# Altium PCB CM4-Tower.PcbDoc (part 3 of 10)
Units mil, origin at the board's own origin, x right, y up, seen from the top; angles counter-clockwise.
Board outline 1968.5 x 5354.33 mil, 8 copper layers (Top Layer, Layer 2, Layer 3, Layer 4, Layer 5, Layer 6, Layer 7, Bottom Layer), stack 61.408 mil thick; 632 components, 480 nets, 2338 pads, 1074 vias.
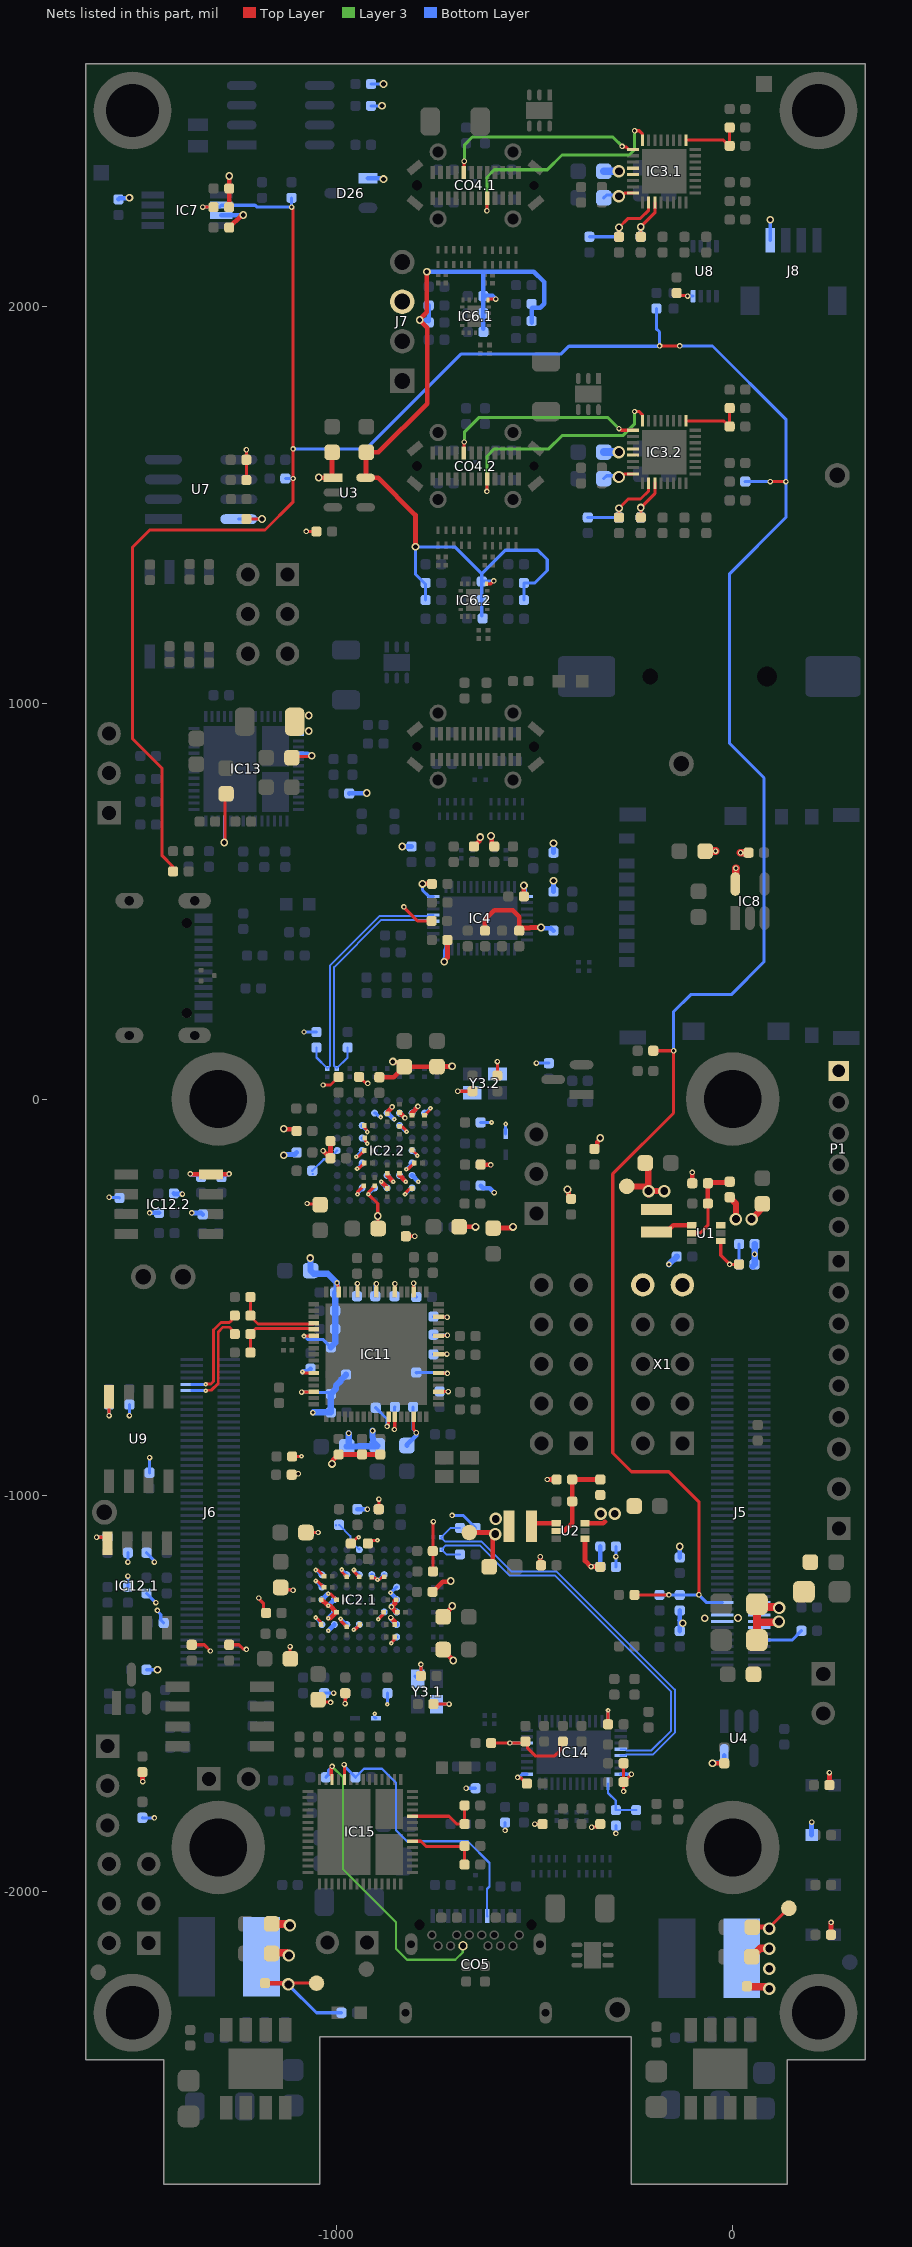
[diagram p9: the nets of this part, all layers, seen from the top]

## Part data (continued)
R2 R19 R20 R108 R125 R126: library part CRCW0402150RFKEDC, "RES SMD 150 ohm 1% 1/16W R0402", Manufacturer="Vishay Dale", Package / Case=0402, Power (Watts)=1/16W, Tolerance=±1%, check=ok, Manufacturer Part Number=CRCW0402150RFKEDC
R3 R16: library part CRCW040212K0FK, "RES SMD 12K ohm 1% 1/16W R0402", Manufacturer=Vishay, Package / Case=0402, Power (Watts)=1/16W, Tolerance=±1%, check=ok, Manufacturer Part Number=CRCW040212K0FK
R4: library part CRCW040220K0FKEDC, "RES SMD 20K ohm 1% 1/16W R0402", Manufacturer="Vishay Dale", Package / Case=0402, Power (Watts)=1/16W, Tolerance=±1%, check=ok, Manufacturer Part Number=CRCW040220K0FKEDC
R5 R17 R18 R21 R62.1 R62.2 R63.1 R63.2 R98 R113 R117 R118 R119 R120 R144 R175 R176 R179 R198 R200 R201 R203 R204 R206 R207 R208 R209: library part CRCW04022K20FK, "RES SMD 2.2K ohm 1% 1/16W R0402", Manufacturer=Vishay, Package / Case=0402, Power (Watts)=1/16W, Tolerance=±1%, check=ok, Manufacturer Part Number=CRCW04022K20FK
R6 R8 R22 R28.1 R28.2 R64.1 R64.2 R65.1 R65.2 R68.1 R68.2 R69.1 R69.2 R72 R73 R74 R75 R76 R77 R116 R122 R123 R124 R127.1 R127.2 R128.1 R128.2 R148.1 R148.2 R149.1 R149.2 R150 R151 R152 R153 R154 R155 R184 R185 R186 R187 R188 R189 R190 R191 R196 R216 R217 R220 R221 R222 R223.1 R223.2 R224 R231 R232: library part CRCW04020000Z0, "RES SMD 0 ohm 1/16W R0402", Manufacturer="Vishay Dale", Package / Case=0402, Power (Watts)=1/16W, Manufacturer Part Number=CRCW04020000Z0
  R6 R8 R116 R122 R123 R124 R127.1 R127.2 R128.1 R128.2 R224 R231 R232: check=ok
R7 R27.1 R27.2 R42.1 R42.2 R102 R103 R105 R112 R131 R143.1 R143.2 R180 R181 R182 R183 R193 R211: library part CRCW040210K0FK, "RES SMD 10K ohm 1% 1/16W R0402", Manufacturer="Vishay Dale", Package / Case=0402, Power (Watts)=1/16W, Tolerance=±1%, Manufacturer Part Number=CRCW040210K0FK
R9 R10 R13 R14: library part CRCW040215K0FK, "RES SMD 15K ohm 1% 1/16W R0402", Manufacturer="Vishay Dale", Package / Case=0402, Power (Watts)=1/16W, Tolerance=±1%, Manufacturer Part Number=CRCW040215K0FK
R11 R55.1 R55.2 R56.1 R56.2 R57.1 R57.2 R58.1 R58.2 R60.1 R60.2 R61.1 R61.2 R67.1 R67.2 R94 R97.1 R97.2 R99 R101 R132 R133 R134 R139 R140 R141 R172 R177 R194 R199 R202 R205 R212 R237.1 R237.2 R238.1 R238.2 R239.1 R239.2 R240.1 R240.2 R241.1 R241.2 R242.1 R242.2 R243.1 R243.2 R244.1 R244.2 R245: library part CRCW040210K0FK, "RES SMD 10K ohm 1% 1/16W R0402", Manufacturer=Vishay, Package / Case=0402, Power (Watts)=1/16W, Tolerance=±1%, check=ok, Manufacturer Part Number=CRCW040210K0FK
R12 R15: library part CRCW0402200KFKEDC, "RES SMD 200K ohm 1% 1/16W R0402", Manufacturer=Vishay, Package / Case=0402, Power (Watts)=1/16W, Tolerance=±1%, check=ok, Manufacturer Part Number=CRCW0402200KFKEDC
R23.1 R23.2: library part CRCW04022K00FKEE, "RES SMD 2K ohm 1% 1/16W R0402", Manufacturer=Vishay, Package / Case="0805 (2012 Metric)", Power (Watts)=1/16W, Tolerance=±1%, check=ok, Manufacturer Part Number=CRCW04022K00FKEE
R24.1 R24.2 R26.1 R26.2 R32.1 R32.2 R47.1 R47.2 R48.1 R48.2 R54.1 R54.2 R70.1 R70.2 R71.1 R71.2: library part CRCW040220K0FK, "RES SMD 20K ohm 1% 1/16W R0402", Manufacturer="Vishay Dale", Package / Case=0402, Power (Watts)=1/16W, Tolerance=±1%, Manufacturer Part Number=CRCW040220K0FK
R25.1 R25.2 R36.1 R36.2 R37.1 R37.2 R38.1 R38.2 R39.1 R39.2 R40.1 R40.2 R41.1 R41.2 R45.1 R45.2 R46.1 R46.2 R49.1 R49.2 R50.1 R50.2 R51.1 R51.2 R52.1 R52.2: library part CRCW04024K7FK, "RES SMD 4.7K ohm 1% 1/16W R0402", Manufacturer="Vishay Dale", Package / Case=0402, Power (Watts)=1/16W, Tolerance=±1%, Manufacturer Part Number=CRCW04024K7FK
R29.1 R29.2 R30.1 R30.2: library part CRCW04021K00FK, "RES SMD 1K ohm 1% 1/16W R0402", Manufacturer="Vishay Dale", Package / Case=0402, Power (Watts)=1/16W, Tolerance=±1%, Manufacturer Part Number=CRCW04021K00FK
R31.1 R31.2 R33.1 R33.2: library part CRCW0402100KFK, "RES SMD 100K ohm 1% 1/16W R0402", Manufacturer="Vishay Dale", Package / Case=0402, Power (Watts)=1/16W, Tolerance=±1%, Manufacturer Part Number=CRCW0402100KFK
R34.1 R34.2: library part CRCW040247K0FK, "RES SMD 47K ohm 1% 1/16W R0402", Manufacturer="Vishay Dale", Package / Case=0402, Power (Watts)=1/16W, Tolerance=±1%, Manufacturer Part Number=CRCW040247K0FK
R35.1 R35.2 R43.1 R43.2: library part CRCW04021M00FKEDC, "RES SMD 1M ohm 1% 1/16W R0402", Manufacturer=Vishay, Package / Case=0402, Power (Watts)=1/16W, Tolerance=±1%, check=ok, Manufacturer Part Number=CRCW04021M00FKEDC
R44 R192 R197 R210: library part CRCW04022M00FKEDC, "RES SMD 2M ohm 1% 1/16W R0402", Manufacturer=Vishay, Package / Case=0402, Power (Watts)=1/16W, Tolerance=±1%, check=ok, Manufacturer Part Number=CRCW04022M00FKEDC
R53.1 R53.2: library part CRCW040227K0FK, "RES SMD 27K ohm 1% 1/16W R0402", Manufacturer="Vishay Dale", Package / Case=0402, Power (Watts)=1/16W, Tolerance=±1%, Manufacturer Part Number=CRCW040227K0FK
R59.1 R59.2 R66.1 R66.2 R95 R96 R100 R173 R174 R178 R195 R213: library part CRCW0402100KFKEDC, "RES SMD 100K ohm 1% 1/16W R0402", Manufacturer=Vishay, Package / Case=0402, Power (Watts)=1/16W, Tolerance=±1%, check=ok, Manufacturer Part Number=CRCW0402100KFKEDC
R78 R79 R80 R81 R82 R83 R84 R85 R86 R87 R88 R89 R90 R91 R92 R93 R156 R157 R158 R159 R160 R161 R162 R163 R164 R165 R166 R167 R168 R169 R170 R171: library part CRCW04021K00FKEDC, "RES SMD 1K ohm 1% 1/16W R0402", Manufacturer=Vishay, Package / Case=0402, Power (Watts)=1/16W, Tolerance=±1%, check=ok, Manufacturer Part Number=CRCW04021K00FKEDC
R104.1 R104.2 R106.1 R106.2: library part CRCW04022M10FKED, "RES SMD 2.1M ohm 1% 1/16W R0402", Manufacturer=Vishay, Package / Case=0402, Power (Watts)=1/16W, Tolerance=±1%, check=ok, Manufacturer Part Number=CRCW04022M10FKED
R109: library part CRCW040269K8FKEDC, "RES SMD 69.8K ohm 1% 1/16W R0402", Manufacturer="Vishay Dale", Package / Case=0402, Power (Watts)=1/16W, Tolerance=±1%, check=ok, Manufacturer Part Number=CRCW040269K8FKEDC
R110: library part CRCW040210K5FKED, "RES SMD 10.5K ohm 1% 1/16W R0402", Manufacturer=Vishay, Package / Case=0402, Power (Watts)=1/16W, Tolerance=±1%, check=ok, Manufacturer Part Number=CRCW040210K5FKED
R111: library part CRCW040222K1FKEDC, "RES SMD 22.1K ohm 1% 1/16W R0402", Manufacturer="Vishay Dale", Package / Case=0402, Power (Watts)=1/16W, Tolerance=±1%, check=ok, Manufacturer Part Number=CRCW040222K1FKEDC
R114 R115: library part CRCW04025K10FK, "RES SMD 5.1K ohm 1% 1/16W R0402", Manufacturer=Vishay, Package / Case="0805 (2012 Metric)", Power (Watts)=1/16W, Tolerance=±1%, check=ok, Manufacturer Part Number=CRCW04025K10FK
R121: library part CRCW040236K0FK, "RES SMD 36K ohm 1% 1/16W R0402", Manufacturer=Vishay, Package / Case=0402, Power (Watts)=1/16W, Tolerance=±1%, check=ok, Manufacturer Part Number=CRCW040236K0FK
R135 R136: library part CRCW040233R0FKEDC, "RES SMD 33 ohm 1% 1/16W R0402", Manufacturer=Vishay, Package / Case=0402, Power (Watts)=1/16W, Tolerance=±1%, check=ok, Manufacturer Part Number=CRCW040233R0FKEDC
R137 R138: library part CRCW040249R9FKEDC, "RES SMD 49.9 ohm 1% 1/16W R0402", Manufacturer=Vishay, Package / Case=0402, Power (Watts)=1/16W, Tolerance=±1%, check=ok, Manufacturer Part Number=CRCW040249R9FKEDC
R142: library part CRCW04026K04FKEDC, "RES SMD6.04K ohm 1% 1/16W R0402", Manufacturer=Vishay, Package / Case=0402, Power (Watts)=1/16W, Tolerance=±1%, Manufacturer Part Number=CRCW04026K04FKEDC
R145.1 R145.2 R146.1 R146.2: library part CRCW0402249RFKEDC, "RES SMD 249 ohm 1% 1/16W R0402", Manufacturer=Vishay, Package / Case=0402, Power (Watts)=1/16W, Tolerance=±1%, check=ok, Manufacturer Part Number=CRCW0402249RFKEDC
R147.1 R147.2: library part CRCW04023K00FKED, "RES SMD 3K ohm 1% 1/16W R0402", Manufacturer=Vishay, Package / Case=0402, Power (Watts)=1/16W, Tolerance=±1%, check=ok, Manufacturer Part Number=CRCW04023K00FKED
R214 R215 R218 R219: library part CRCW04024K7FK, "RES SMD 4.7K ohm 1% 1/16W R0402", Manufacturer="Vishay Dale", Package / Case="0805 (2012 Metric)", Power (Watts)=1/16W, Tolerance=±1%, Manufacturer Part Number=CRCW04024K7FK
R229: library part CRCW040212K0FK, "RES SMD 12K ohm 1% 1/16W R0402", Manufacturer="Vishay Dale", Package / Case="0805 (2012 Metric)", Power (Watts)=1/16W, Tolerance=±1%, Manufacturer Part Number=CRCW040212K0FK
R230: library part CRCW040216K0FK, "RES SMD 16K ohm 1% 1/16W R0402", Manufacturer="Vishay Dale", Package / Case=0402, Power (Watts)=1/16W, Tolerance=±1%, Manufacturer Part Number=CRCW040216K0FK
Snap1: library part CM4_snap, "RPI CM4 snap", Part Number=MO0012, ID=12, RefVal=CM4-1
TP1 TP2 TP3 TP4 TP10.1 TP10.2: "Testpoint 1mm", Manufacturer Part Number="General Test Point"
TP5 TP6 TP7 TP8 TP9: library part TP_1mm_SMD
U1 U2: "Switching Voltage Regulators DCDC Conv LV Buck SOT563 TR 3K", Manufacturer=Diodes, Supplier Part Number 1=31-AP61202Z6-7CT-ND, Manufacturer Part Number=AP61202Z6-7, Pricing 1="1=0.45000, 10=0.38600, 25=0.36000, 100=0.28790, 250=0.26732, 500=0.22620, 1000=0.17479 (USD)", RoHS=No, Stock 1=2775, Supplier 1=Digi-Key
U3: "IC REG LINEAR 1.8V 300MA SOT23-5", RoHS Compliant=Yes
U4: "Single 1.65-V to 5.5-V buffer with open-drain outputs 5-SOT-23 -40 to 125", Ambient Temperature Range High=+125°C, Ambient Temperature Range Low=-40°C, Case/Package=SOT-23, Low Level Output Current=32mA, Manufacturer="Texas Instruments", Max Junction Temp=+150°C, Max Operating Temperature=125°C, Max Supply Voltage=5.5V, Min Supply Voltage=1.65V, Nominal Supply Current=10uA, Package=DBV0005A, Package Quantity=1, Temperature="-40°C to +125°C", Automotive=No, Category=IC, ComponentLink1Description=https://datasheet.ciiva.com/15094/getdatasheetpartid-82831-15094598.pdf?src-supplier=Verical, ComponentLink1URL=https://datasheet.ciiva.com/15094/getdatasheetpartid-82831-15094598.pdf?src-supplier=Verical, ComponentLink2Description=Datasheet, ComponentLink2URL=http://www.ti.com/lit/ds/symlink/sn74lvc1g07.pdf, ComponentLink3Description=https://datasheet.ciiva.com/41456/001017126-da-01-en-ic-b-dvr-sn74-sn74lvc1g07dbvt-sot-5-tid-41456046.pdf?src-supplier=Conrad, ComponentLink3URL=https://datasheet.ciiva.com/41456/001017126-da-01-en-ic-b-dvr-sn74-sn74lvc1g07dbvt-sot-5-tid-41456046.pdf?src-supplier=Conrad, ComponentLink4Description=https://datasheet.ciiva.com/1841/sn74lvc1g07-1841399.pdf?src-supplier=Digi-Key, ComponentLink4URL=https://datasheet.ciiva.com/1841/sn74lvc1g07-1841399.pdf?src-supplier=Digi-Key, ComponentLink5Description=https://datasheet.ciiva.com/1841/sn74lvc1g07-1841398.pdf?src-supplier=Digi-Key, ComponentLink5URL=https://datasheet.ciiva.com/1841/sn74lvc1g07-1841398.pdf?src-supplier=Digi-Key, ComponentLink6Description=https://datasheet.ciiva.com/1841/sn74lvc1g07-1841400.pdf?src-supplier=Digi-Key, ComponentLink6URL=https://datasheet.ciiva.com/1841/sn74lvc1g07-1841400.pdf?src-supplier=Digi-Key, Device Class L1="Integrated Circuits (ICs)", Device Class L2="Logic ICs", Device Class L3=Buffers, Digikey Description="IC BUF NON-INVERT 5.5V SOT23-5", Height=1.45mm, Lead Free=Yes, Length=2.9mm, Logic Function=Buffer,Inverting, Logic Function Desc=Non-Inverting, Manufacturer Part Number=SN74LVC1G07DBVT, Min Operating Temperature=-40°C, Mount="Surface Mount", Mouser Description="Buffers & Line Drivers SNGL Buffer/Driver", Number of Bits=1, Number of Bits per Element=1, Number Of Channels=1, Number Of Circuits=1, Number of Elements=1, Number of Gates=1, Number of Input Lines=1, Number Of Inputs=1, Number of Output Lines=1, Number of Outputs=1, Number of Pins=5, Octopart=https://octopart.com/sn74lvc1g07dbvt-texas+instruments-1006798, Packaging="Tape and Reel", Polarity=Non-Inverting, Pricing 1="1=0.92900, 10=0.83040, 25=0.79550, 100=0.65680 (USD)", Propagation Delay=4ns, Quiescent Current=10uA, Radiation Hardening=No, Reach SVHC Compliant=Yes, RoHS=TRUE, RoHS Compliant=Yes, Series=74LVC, Standoff Height=0mm, Stock 1=234, Supplier 1="Arrow Electronics", Supplier Part Number 1=SN74LVC1G07DBVT, Technology=CMOS, Temperature Range High=+125°C, Temperature Range Low=-40°C, Termination=SMD/SMT, Turn-On Delay Time=8.3ns, Width=1.6mm
U6: library part PCF85063AT, "PCF85063AT: 5.5 V Tiny Real-Time Clock/Calendar w/Alarm Function and I2C-bus", Case/Package=SOIC, Manufacturer="NXP Semiconductors", Max Operating Temperature=85°C, Min Operating Temperature=-40°C, Supplier Part Number 1=771-PCF85063AT/AAZ, Category="Real Time Clocks", ComponentLink1Description=http://www.farnell.com/datasheets/2617867.pdf?src-supplier=Farnell, ComponentLink1URL=http://www.farnell.com/datasheets/2617867.pdf?src-supplier=Farnell, ComponentLink2Description=http://www.nxp.com/documents/data_sheet/PCF85063A.pdf?src-supplier=Avnet, ComponentLink2URL=http://www.nxp.com/documents/data_sheet/PCF85063A.pdf?src-supplier=Avnet, Date Format=YY-MM-DD-dd, Interface=I2C, Lead Free="Lead Free", Manufacturer Part Number=PCF85063AT/AAZ, Mount="Surface Mount", Packaging="Tape and Reel", Pricing 1="1=0.81000, 10=0.75400, 50=0.72800, 100=0.64200, 1000=0.49700, 10000=0.48900 (USD)", RoHS=Yes, RoHS Compliant=Yes, Stock 1=46938, Supplier 1=Mouser, Time Format="HH:MM:SS (12/24 hr)"
U7: "IC EEPROM 64K I2C 400KHZ 8SOIC", Manufacturer=Microchip, Manufacturer Part Number=AT24C64BN-10SU-2.7, Supplier Part Number 1=AT24C64BN-10SU-2.7-ND, Category=EEPROM, Pricing 1="1=0.76000 (USD)", RoHS=Yes, Stock 1=32, Supplier 1=Digi-Key
U8: "Buffer/Driver 3-CH Non-Inverting Open Drain CMOS 8-Pin VSSOP T/R", Case/Package=VSSOP, High Level Output Current=32mA, Manufacturer="Texas Instruments", Max Operating Temperature=125°C, Max Supply Voltage=5.5V, Min Operating Temperature=-40°C, Min Supply Voltage=1.65V, Package Quantity=3000, Quiescent Current=10uA, Supplier Part Number 1=296-13283-1-ND, Category="Buffers, Drivers and Transceivers", ComponentLink1Description=https://datasheet.ciiva.com/1834/sn74lvc3g07-1834416.pdf?src-supplier=Digi-Key, ComponentLink1URL=https://datasheet.ciiva.com/1834/sn74lvc3g07-1834416.pdf?src-supplier=Digi-Key, ComponentLink2Description=https://datasheet.ciiva.com/15095/getdatasheetpartid-196852-15095028.pdf?src-supplier=Verical, ComponentLink2URL=https://datasheet.ciiva.com/15095/getdatasheetpartid-196852-15095028.pdf?src-supplier=Verical, ComponentLink3Description=https://datasheet.ciiva.com/46386/1847468-46386028.pdf?src-supplier=Element14, ComponentLink3URL=https://datasheet.ciiva.com/46386/1847468-46386028.pdf?src-supplier=Element14, ComponentLink4Description=https://datasheet.ciiva.com/1834/sn74lvc3g07-1834415.pdf?src-supplier=Digi-Key, ComponentLink4URL=https://datasheet.ciiva.com/1834/sn74lvc3g07-1834415.pdf?src-supplier=Digi-Key, ComponentLink5Description=https://datasheet.ciiva.com/1834/sn74lvc3g07-1834417.pdf?src-supplier=Digi-Key, ComponentLink5URL=https://datasheet.ciiva.com/1834/sn74lvc3g07-1834417.pdf?src-supplier=Digi-Key, ComponentLink6Description=https://datasheet.ciiva.com/48703/001074022-da-01-en-ic-buff-dvr-trp-sn74lvc3g07dcur-us-8-tid-48703403.pdf?src-supplier=Conrad, ComponentLink6URL=https://datasheet.ciiva.com/48703/001074022-da-01-en-ic-buff-dvr-trp-sn74lvc3g07dcur-us-8-tid-48703403.pdf?src-supplier=Conrad, Lead Free="Lead Free", Logic Function=Buffer,Inverting, Low Level Output Current=32mA, Manufacturer Part Number=SN74LVC3G07DCUR, Mounting Technology="Surface Mount", Number of Bits=3, Number of Bits per Element=1, Number Of Channels=3, Number of Elements=3, Number of Gates=3, Number of Input Lines=3, Number Of Inputs=3, Number of Output Lines=3, Number of Outputs=3, Packaging="Tape and Reel", Pins=8, Polarity=Non-Inverting, Pricing 1="1=0.64000, 10=0.54500, 25=0.50880, 100=0.40700, 250=0.37796, 500=0.31982, 1000=0.24713 (USD)", Propagation Delay=2.9ns, Radiation Hardening=No, Reach SVHC Compliant=Yes, RoHS=Yes, RoHS Compliant=Yes, Series=74LVC, Stock 1=5211, Supplier 1=Digi-Key, Technology=CMOS, Turn-On Delay Time=7.8ns
U9: "IC FLASH 1MBIT 104MHZ 8SOIC", Case/Package=SOIC, Frequency=104MHz, Manufacturer=Winbond, Max Operating Temperature=85°C, Max Supply Voltage=3.6V, Min Operating Temperature=-40°C, Min Supply Voltage=2.3V, Nominal Supply Current=14mA, Package Quantity=100, Supplier Part Number 1=W25X10CLSNIG-ND, Access Time=8ns, Access Time-Max=8ns, Address Bus Width=24b, Category=Flash, ComponentLink1Description=https://datasheet.ciiva.com/15126/getdatasheetpartid-650790-15126713.pdf?src-supplier=Verical, ComponentLink1URL=https://datasheet.ciiva.com/15126/getdatasheetpartid-650790-15126713.pdf?src-supplier=Verical, Density=1Mb, Interface=SPI,Serial, Manufacturer Part Number=W25X10CLSNIG, Memory Format=FLASH,NOR, Memory Size=128000, Mounting Technology="Surface Mount", Packaging=Rail/Tube, Page Size=256B, Pins=8, Radiation Hardening=No, RoHS=Yes, RoHS Compliant=Yes, Series=SpiFlash®, Supplier 1=Digi-Key, Supply Current=14mA, Sync/Async=Synchronous
X1 X2: "Header, 5-Pin, Dual row"
X5 X6: "Conn Unshrouded Header HDR 6 POS 2.54mm Solder ST Thru-Hole Poly Bag", Manufacturer="Amphenol ICC / FCI", Manufacturer Part Number=10076801-101-06LF, Supplier Part Number 1=649-1007680110106LF, Category="Headers and Wire Housings", ComponentLink1Description=https://datasheet.ciiva.com/9472/10076801-9472106.pdf?src-supplier=Avnet, ComponentLink1URL=https://datasheet.ciiva.com/9472/10076801-9472106.pdf?src-supplier=Avnet, LatestRevisionDate=17-Jul-2002, LatestRevisionNote="Re-released for DXP Platform.", Pricing 1="1=0.75000, 10=0.63400, 50=0.63400, 100=0.56500, 1000=0.41000, 10000=0.34100 (USD)", Publisher="Altium Limited", RoHS=Yes, Stock 1=1821, Supplier 1=Mouser
Y1: "Crystal 0.032768MHz ±20ppm (Tol) 7pF Flexural 70000Ohm Automotive 2-Pin Ultra Mini-CSMD T/R", Manufacturer="ECS International", Supplier Part Number 1=XC2743CT-ND, Category=Crystals, ComponentLink1Description=https://www.ecsxtal.com/store/pdf/ECX-12R.pdf?src-supplier=Digi-Key, ComponentLink1URL=https://www.ecsxtal.com/store/pdf/ECX-12R.pdf?src-supplier=Digi-Key, Manufacturer Part Number=ECS-.327-7-12R-TR, Pricing 1="1=0.79000, 10=0.69700, 50=0.65140, 100=0.57570, 500=0.54540, 1000=0.45450 (USD)", RoHS=Yes, Stock 1=130928, Supplier 1=Digi-Key
Y2: "CRYSTAL 25.0000MHZ 8PF SMD, 2.5x2mm, RoHS", Case/Package=SMD/SMT, ESR (Equivalent Series Resistance)=100R, Frequency=25MHz, Frequency Stability=20ppm, Frequency Tolerance=10ppm, Load Capacitance=8pF, Manufacturer=Abracon, Max Operating Temperature=85°C, Min Operating Temperature=-40°C, Supplier Part Number 1=535-13735-1-ND, Category=Crystals, ComponentLink1Description=https://abracon.com/Resonators/ABM10W.pdf?src-supplier=Digi-Key, ComponentLink1URL=https://abracon.com/Resonators/ABM10W.pdf?src-supplier=Digi-Key, Manufacturer Part Number=ABM10W-25.0000MHZ-8-D1X-T3, Mount="Surface Mount", Mounting Technology="Surface Mount", Packaging="Tape and Reel", Pricing 1="1=0.73000, 10=0.60600, 50=0.54540, 100=0.48480, 500=0.46056, 1000=0.38784 (USD)", RoHS=No, Stock 1=4012, Supplier 1=Digi-Key
Y3.1 Y3.2: "CRYSTAL 27.0000MHZ 8PF SMD, 2.5x2mm, RoHS", Manufacturer=Abracon, Supplier Part Number 1=535-ABM10W-27.0000MHZ-8-D1X-T3CT-ND, Category=Crystals, Manufacturer Part Number=ABM10W-27.0000MHZ-8-D1X-T3, Pricing 1="1=0.73000, 10=0.60600, 50=0.54540, 100=0.48480, 500=0.46056, 1000=0.38784 (USD)", Pricing 2="1=0.73000, 10=0.60600, 50=0.54540, 100=0.48480, 500=0.46056, 1000=0.38784 (USD)", RoHS=Yes, Stock 1=1759, Stock 2=1759, Supplier 1=Digi-Key, Supplier 2=Digi-Key, Supplier Part Number 2=535-ABM10W-27.0000MHZ-8-D1X-T3DKR-ND

## Via types
v1: diameter 13.78, hole 7.87, Top Layer to Bottom Layer, tented both sides, 538 vias
v2: diameter 11.81, hole 3.94, Top Layer to Bottom Layer, tented both sides, 294 vias
v3: diameter 19.68, hole 11.81, Top Layer to Bottom Layer, tented both sides, 193 vias
v4: diameter 31.5, hole 19.68, Top Layer to Bottom Layer, tented both sides, 49 vias

## Nets (pads, with @x,y where several pads share a name; then routed paths per layer and width w, separated by ;. In a path a pad name is that pad's centre, name@x,y a point inside that pad or via, vN(x,y) a via of type N, cw(c..) or ccw(c..) an arc to the next point about the centre after c; other vN are vias at no path point)
1V2_EN: R13.2 R14.1 R231.2 U2.5 | length 229.6
  Top Layer w11.81: U2.5@-445.87,-1090.55 -425.2,-1090.55 -405.51,-1070.87 R14.1@-405.51,-1015.75 R13.2@-405.51,-960.63 R231.2@-334.65,-960.63
1V2_FB: C19.2 R12.2 R15.1 U2.1 | length 175.4
  Top Layer w11.81: U2.1@-373.03,-1110.24 -373.03,-1166.31 -372.36,-1166.31 -358.17,-1180.5 v1(-357.64,-1180.5) ; v1@-358.24,-1181.1 R15.1@-334.65,-1181.1
  Bottom Layer w11.81: v1(-357.64,-1180.5) -357.33,-1180.8 -334.95,-1180.8 R12.2@-334.65,-1181.1 C19.2@-334.65,-1129.92
1V2_L: L4.1 U2.4 | length 65.3
  Top Layer w11.81: L4.1@-507.87,-1078.74 -500,-1070.87 U2.4@-445.87,-1070.87
1V05_EN: R6.2 R9.2 R10.1 U1.5 | length 211.6
  Top Layer w7.87: U1.5@-103.35,-338.58 -82.68,-338.58 -62.99,-318.9 R10.1@-62.99,-263.78
  Top Layer w11.81: R10.1@-62.99,-263.78 R9.2@-62.99,-212.6 -61.02,-210.63 -9.84,-210.63 R6.2@-7.87,-208.66
1V05_FB: C16.2 R229.2 R230.1 U1.1 | length 166.9
  Top Layer w7.87: U1.1@-30.51,-358.27 -30.51,-394.69 v1(-7.87,-417.32) R230.1@15.75,-417.32
  Bottom Layer w7.87: v1(-7.87,-417.32) C16.2@15.75,-417.32 R229.2@15.75,-366.14
1V05_L: L2.1 U1.4 | length 96.5
  Top Layer w11.81: L2.1@-192.91,-335.63 -167.32,-335.63 -150.59,-318.9 U1.4@-103.35,-318.9
3V3_OUT: C66.2 D13.2 J5.84 J5.86 R19.2 R116.1 R117.1 R118.1 U4.5 | length 226.4
  Top Layer w11.81: v3(-51.18,-1677.17) C66.2@-21.65,-1677.18 ; R19.2@244.09,-1732.28 v1(244.09,-1700.79)
  Bottom Layer w11.81: R117.1@-133.86,-1343.03 -134.14,-1342.75 v3@-134.14,-1323.69 ; R118.1@-133.86,-1291.34 -134.14,-1291.63 -134.14,-1315.53 -134.43,-1315.82 -134.14,-1316.1 v3@-134.14,-1323.69 ; R116.1@-133.86,-1157.48 v3(-133.86,-1129.92) ; v3(-126.56,-1323.69) v3@-134.14,-1323.69 ; v3(-51.18,-1677.17) -49.67,-1675.66 -26.6,-1675.66 -21.65,-1670.71 U4.5@-21.65,-1657.5 ; D13.2@198.82,-1858.27 198.82,-1826.9 199.35,-1826.38 v1(199.35,-1825.84)
  other v3: -70.87,-1311.02 13,-1310.36
+1V2: C19.1 C61.1 C92.1.1 C92.2.1 C93.1.1 C93.2.1 C94.1.1 C94.2.1 C95.1.1 C95.2.1 C96.1.1 C96.2.1 C97.1.1 C97.2.1 C98.1.1 C98.2.1 C100.1.1 C100.2.1 C101.1.1 C101.2.1 C102.1.1 C102.2.1 C103.1.1 C103.2.1 C104.1.1 C104.2.1 C105.1.1 C105.2.1 C128.1.1 C128.2.1 C129.1.1 C129.2.1 IC2.1.B3 IC2.1.B4 IC2.1.B7 IC2.1.D3 IC2.1.D7 IC2.1.E3 IC2.1.E7 IC2.1.H4 IC2.1.H5 IC2.1.H6 IC2.1.H7 IC2.2.B3 IC2.2.B4 IC2.2.B7 IC2.2.D3 IC2.2.D7 IC2.2.E3 IC2.2.E7 IC2.2.H4 IC2.2.H5 IC2.2.H6 IC2.2.H7 L4.2 R12.1 R146.1.2 R146.2.2 R232.2 TP9.1 Y3.1.2 Y3.1.4 Y3.2.2 Y3.2.4 | length 2001.8
  Top Layer w7.87: C94.1.1@-1141.73,-1233.27 -1135.97,-1239.03 -1111.37,-1239.03 v1(-1110.24,-1240.16) ; v2(-1053.36,-1216.72) -1052.61,-1217.47 -1048.67,-1217.47 -1035.65,-1230.49 -1034.27,-1230.49 -1033.68,-1231.09 -1033.68,-1232.46 C97.1.1@-1032.3,-1232.46 ; v2(-1053.36,-1189.16) -1052.61,-1189.91 -1047.3,-1189.91 C95.1.1@-1032.3,-1204.9 ; v2(-1053.25,-1309.26) -1052.49,-1310.01 -1051.07,-1310.01 -1040.96,-1320.12 -1040.96,-1324.98 C96.1.1@-1038.99,-1326.95 ; v2(-990.37,-1312.27) -989.62,-1313.02 -989.62,-1317.27 C105.1.1@-974.62,-1332.27 ; v2(-987.49,-1188.09) -986.74,-1188.84 -986.74,-1194.17 C103.1.1@-974.62,-1206.28 ; v2(-956.76,-1340.38) -956.01,-1339.63 -954.43,-1339.63 C101.1.1@-941.75,-1326.95 ; v2(-956.69,-1188.98) -955.94,-1189.73 -955.94,-1193.47 C104.1.1@-943.13,-1206.28 ; v2(-950.45,-145.66) -949.7,-144.9 -945.54,-144.9 C104.2.1@-930.56,-129.92 ; v2(-948.75,-176.2) -947.68,-176.2 -945.02,-173.53 -942.67,-173.53 C103.2.1@-930.56,-161.42 ; v2(-947.68,-240.16) -946.93,-239.4 -946.93,-234.09 C95.2.1@-931.93,-219.09 ; v2(-920.28,-240.16) v2@-920.12,-240.16 ; C97.2.1@-904.38,-219.09 -904.38,-220.47 -905.75,-220.47 -906.34,-221.06 -906.34,-222.44 -919.37,-235.47 -919.37,-239.4 v2@-920.12,-240.16 ; C94.2.1@-895.52,-326.77 -896.01,-326.28 -896.01,-295.77 v3(-896.5,-295.28) -896.5,-263.78 v2@-920.12,-240.16 ; v2(-827.58,-240.04) -826.83,-239.29 -826.83,-237.87 -816.72,-227.76 -811.86,-227.76 C96.2.1@-809.89,-225.79 ; v2(-824.57,-177.17) -823.82,-176.41 -819.57,-176.41 C105.2.1@-804.57,-161.42 ; C101.2.1@-809.89,-128.54 -797.21,-141.22 -797.21,-142.46 v2(-796.46,-143.21) ; C129.1.1@-787.4,-1456.69 v1(-787.4,-1427.66) ; C128.1.1@-762.02,-1533.67 C128.1.1@-755.91,-1527.56 v1(-716.54,-1527.56) ; v1(-694.39,19.68) C129.2.1@-665.35,19.68 ; v1(-594.49,94.49) C128.2.1@-594.49,59.06 C128.2.1@-591.3,62.24
  Top Layer w11.81: R146.2.2@-892.56,55.12 -856.15,55.12 C93.2.1@-829.57,81.69 ; C100.2.1@-872.88,-36.81 -872.88,-33.03 -860.07,-20.22 v1(-860.07,-19.68) ; v1(-863.58,-1309.41) -863.58,-1309.68 -853.95,-1319.3 C98.1.1@-853.95,-1326.95 ; v1@-862.27,-1282.47 -849.29,-1295.46 C102.1.1@-847.26,-1295.46 ; v1(-862.2,-1282.47) -861.83,-1282.1 -860.51,-1282.1 -853.17,-1274.76 -853.17,-1267.11 C100.1.1@-850.02,-1263.96 ; v3(-858.27,94.49) -856.76,92.98 -840.86,92.98 C93.2.1@-829.57,81.69 ; C102.2.1@-841.38,-34.07 v1(-828.02,-47.44) ; C98.2.1@-809.89,-40.75 -809.89,-34.04 -795.1,-19.26 v1(-795.1,-18.72) ; R146.1.2@-758.09,-1244.27 -732.23,-1218.42 -713.73,-1218.42 v3(-712.22,-1216.91) ; C92.1.1@-731.51,-1389.94 -731.51,-1390.92 -705.71,-1416.72 v3(-705.71,-1417.7) ; C93.1.1@-731.51,-1307.27 -731.51,-1305.2 -708.28,-1281.97 v3(-708.28,-1279.9) ; v3(-708.66,82.68) -709.15,82.19 -746.4,82.19 C92.2.1@-746.9,81.69 C93.2.1@-829.57,81.69 ; TP9.1@-665.35,-1094.49 -603.7,-1094.49 v4(-599.6,-1098.59) -606.3,-1105.28 -606.3,-1172.24 C61.1@-615.16,-1181.1 ; v1(-486.26,-1155.55) -485.88,-1155.93 -485.88,-1175.53 R232.2@-484.25,-1177.17
  Bottom Layer w7.87: v2(-1053.36,-1216.72) IC2.1.B4@-1037.62,-1232.46 ; v2(-1053.36,-1189.16) -1052.61,-1189.91 -1051.34,-1189.91 -1040.28,-1200.97 IC2.1.B3@-1037.62,-1200.97 ; v2(-1053.25,-1309.26) -1053.25,-1310.29 -1037.62,-1325.92 IC2.1.B7@-1037.62,-1326.95 ; v2(-990.37,-1312.27) -989.84,-1312.27 -975.16,-1326.95 IC2.1.D7@-974.62,-1326.95 ; v2(-987.49,-1188.09) -974.61,-1200.97 IC2.1.D3@-974.35,-1200.97 ; v2(-956.76,-1340.38) -956.65,-1340.38 -943.22,-1326.95 IC2.1.E7@-943.13,-1326.95 ; v2(-956.69,-1188.98) -955.9,-1188.98 -943.91,-1200.97 IC2.1.E3@-943.13,-1200.97 ; v2(-950.45,-145.66) -950.45,-145.08 -935.87,-130.5 IC2.2.E3@-935.87,-129.92 ; v2(-948.75,-176.2) -948.75,-175.25 -935.87,-162.37 IC2.2.D3@-935.87,-161.42 ; v2(-947.68,-240.16) -946.93,-239.4 -946.93,-238.13 -935.87,-227.07 IC2.2.B3@-935.87,-224.41 ; v2(-920.28,-240.16) -920.2,-240.16 -904.45,-224.41 IC2.2.B4@-904.38,-224.41 ; IC2.2.H4@-904.38,-35.43 -901.71,-35.43 -892.41,-44.73 -889.54,-44.73 v2(-888.78,-45.49) ; v2(-864.27,-1246.26) -863.36,-1246.26 -849.55,-1232.46 IC2.1.H4@-848.64,-1232.46 ; v2(-827.58,-240.04) -826.55,-240.04 -810.92,-224.41 IC2.2.B7@-809.89,-224.41 ; v2(-824.57,-177.17) -824.57,-176.63 -809.89,-161.95 IC2.2.D7@-809.89,-161.42 ; IC2.2.E7@-809.89,-129.92 IC2.2.E7@-809.89,-129.92 -796.53,-143.21 v2(-796.46,-143.21) ; Y3.1.2@-802.66,-1456.69 Y3.1.2@-795.28,-1464.07 -787.4,-1456.2 v1(-787.4,-1427.66) ; Y3.1.4@-748.03,-1528.05 -747.54,-1527.56 v1(-716.54,-1527.56) ; v1(-694.39,19.68) -661.91,19.68 Y3.2.2@-657.97,15.75 Y3.2.2@-657.48,15.26 ; v1(-594.49,94.49) -594.49,63.48 Y3.2.4@-594,62.99 ; R12.1@-295.28,-1181.1 v1(-295.28,-1155.51) C19.1@-295.28,-1129.92
  Bottom Layer w11.81: IC2.2.H5@-872.88,-35.43 -871.28,-35.43 -855.75,-50.96 v2(-854.51,-50.96) ; v2(-864.27,-1246.26) -864.27,-1246.73 -848.64,-1262.36 -848.64,-1265.56 -861.83,-1278.75 -861.83,-1282.1 v1(-862.2,-1282.47) ; v1(-863.58,-1309.41) -863.21,-1309.79 -863.21,-1312.37 IC2.1.H7@-848.64,-1326.95 ; v1@-862.27,-1282.47 IC2.1.H6@-848.63,-1296.12 ; IC2.2.H6@-840.57,-35.42 -828.55,-47.44 v1(-828.02,-47.44) ; IC2.2.H7@-809.89,-35.43 -809.89,-34.04 -795.1,-19.26 v1(-795.1,-18.72)
  other v4: -598.8,-1060.25
+1V05: C16.1 C17.1 C68.1 C69.1 C70.1 C71.1 C72.1 C73.1 C74.1 C75.1 C76.1 C77.1 IC11.3 IC11.9 IC11.12 IC11.29 IC11.45 IC11.54 IC11.60 IC11.63 L2.2 R8.2 R229.1 TP7.1 | length 878.4
  Top Layer w7.87: v2(-1086.61,-688.98) -1085.55,-688.98 -1082.72,-691.8 IC11.29@-1057.88,-691.8 ; v1(-948.09,-466.19) -947.87,-466.41 -947.87,-486.86 IC11.12@-947.65,-487.08 ; IC11.9@-900.4,-487.08 -900.21,-486.88 -900.21,-466.6 v1(-900.01,-466.41) ; v1(-872.68,-826.67) -871.55,-825.54 -871.55,-821.95 -869.3,-819.7 -869.3,-802.43 IC11.45@-868.91,-802.04 ; IC11.3@-805.92,-487.08 -805.84,-487.01 -805.84,-465.2 v1(-805.77,-465.12) ; IC11.54@-742.92,-739.05 -742.78,-738.9 -718.54,-738.9 v1(-718.4,-738.76) ; IC11.60@-742.92,-644.56 -742.59,-644.23 -722.05,-644.23 v1(-721.71,-643.89) ; IC11.63@-742.92,-597.32 -742.39,-596.79 -721.21,-596.79 v1(-720.68,-596.26)
  Top Layer w15.75: TP7.1@-267.72,-220.47 -224.41,-220.47 v4(-212.6,-232.28) v4@-212.6,-240.46 ; C17.1@-213.58,-161.42 -213.58,-229 v4@-211.45,-231.14 ; v4@-204.42,-232.28 v4(-173.23,-232.28)
  Bottom Layer w7.87: C74.1@-948.82,-497.89 -948.46,-497.53 -948.46,-466.56 v1(-948.09,-466.19) ; C77.1@-902.75,-497.89 -902.75,-470.74 -900.01,-468 v1(-900.01,-466.41) ; C70.1@-901.57,-779.53 -873.32,-807.78 -873.32,-826.03 v1(-872.68,-826.67) ; v1(-805.77,-465.12) -804.64,-466.25 -804.64,-494.54 C71.1@-799.21,-499.97 ; C75.1@-755.91,-644.59 -755.56,-644.24 -722.06,-644.24 v1(-721.71,-643.89) ; C73.1@-755.91,-595.14 -755.35,-595.7 -721.23,-595.7 v1(-720.68,-596.26) ; C76.1@-740.16,-738.05 -739.8,-738.4 -718.75,-738.4 v1(-718.4,-738.76)
  Bottom Layer w11.81: v2(-1086.61,-688.98) -1084.98,-687.34 -1072.75,-687.34 C72.1@-1066.16,-680.76
  Bottom Layer w15.75: v1(-969.79,-843.8) -969.79,-872.77 C69.1@-974.63,-877.61 -944.54,-877.61 ; -944.54,-876.57 -898.69,-876.57 C68.1@-897.65,-875.54 -908.24,-864.94 -908.24,-855.91 -909.66,-854.5 v1(-909.66,-837.49) ; v1(-161.42,-417.32) R8.2@-141.73,-397.64 ; C16.1@50.2,-422.24 C16.1@55.12,-417.32 v1(55.12,-391.73) R229.1@55.12,-366.14
+1V8: C23.1.1 C23.2.1 C126.1.1 C126.2.1 C166.1 IC6.1.5 IC6.2.5 R55.1.1 R55.2.1 R237.1.1 R237.2.1 R238.1.1 R238.2.1 R239.1.1 R239.2.1 R240.1.1 R240.2.1 U3.5 | length 2400.9
  Top Layer w7.87: IC6.2.5@-622.05,1301.18 -622.05,1300.84 -610.98,1300.84 v1(-603.57,1308.25) ; IC6.1.5@-618.11,2017.72 cw(c-613.36,2012.96) -613.36,2019.69 v1(-598.43,2019.69)
  Top Layer w11.81: v3(-801.28,1394.6) -801.28,1474.51 -895.67,1568.9 U3.5@-927.15,1568.9 -926.17,1569.87 -926.17,1631.9 C166.1@-925.2,1632.87 -894.69,1632.87 -771.65,1755.91 -771.65,1947.11 -790.69,1966.15 v3(-790.69,1967.05) -790.69,1968.44 -772.49,1986.64 v3(-772.49,2089)
  Bottom Layer w7.87: v3(-801.28,1394.6) v3@-800.38,1393.7 ; R239.2.1@-775.59,1259.84 -775.59,1299.21 -801.28,1324.9 -801.28,1392.8 v3@-800.38,1393.7 ; R55.2.1@-633.86,1220.47 C126.2.1@-633.86,1259.84 C23.2.1@-633.86,1307.09 ; v1(-603.57,1308.25) -604.15,1307.67 -633.28,1307.67 C23.2.1@-633.86,1307.09 ; R237.2.1@-527.56,1259.84 R238.2.1@-527.56,1303.15 -500,1303.15 -468.5,1334.65 -468.5,1362.2 -492.13,1385.83 -574.8,1385.83 -633.86,1326.77 ; v3@-800.38,1393.7 -700.79,1393.7 -633.86,1326.77 ; C23.2.1@-633.86,1307.09 -633.86,1326.77
  Bottom Layer w11.81: v3(-790.69,1967.05) -789.44,1965.81 -768.96,1965.81 -767.72,1964.57 R240.1.1@-767.72,2003.94 ; v3(-772.49,2089) -629.92,2089 ; R55.1.1@-629.92,1944.88 C23.1.1@-629.92,1984.25 C126.1.1@-629.92,2027.56 ; v1(-598.43,2019.69) -606.3,2027.56 C126.1.1@-629.92,2027.56 ; R237.1.1@-507.87,1960.63 R237.1.1@-507.87,1964.57 -507.87,1996.06 -506.08,1997.86 -486.39,1997.86 -476.38,2007.87 -476.38,2062.99 -502.39,2089 -629.92,2089 ; C126.1.1@-629.92,2027.56 -629.92,2089